# KiCad board APA102_Matrix.kicad_pcb (continued)
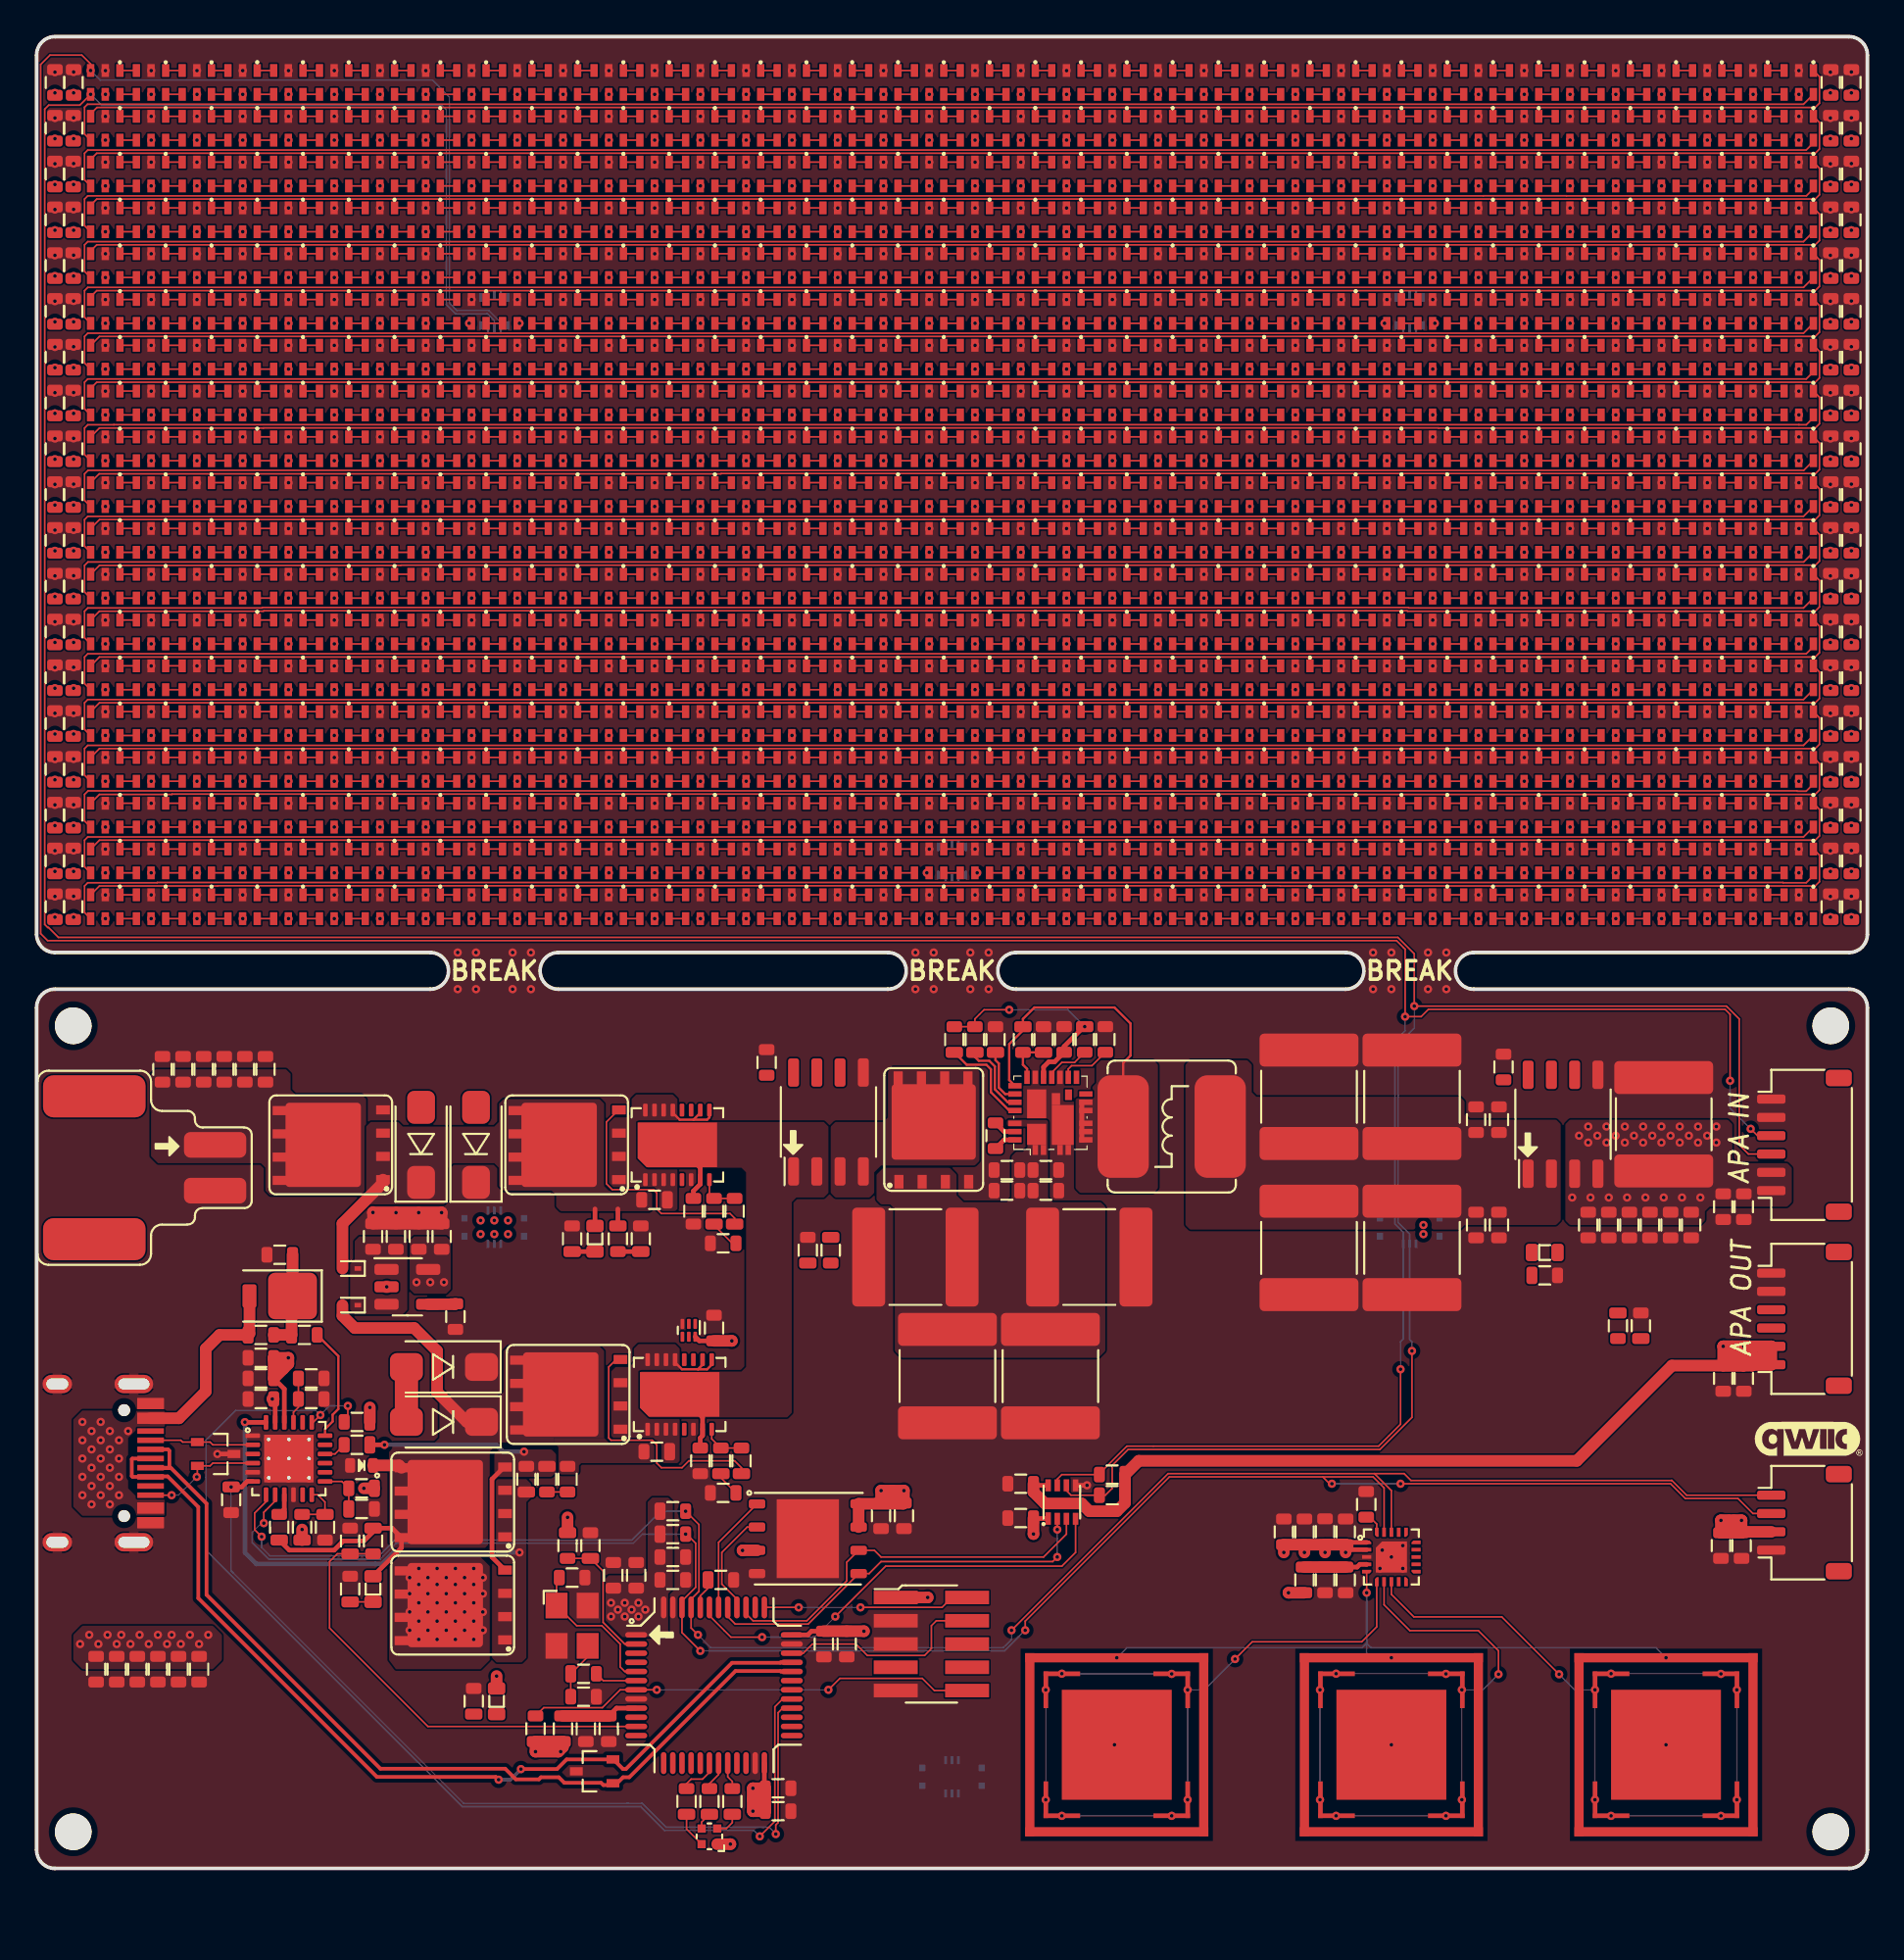
[diagram p0: board, top side]
## Routing (per net, layer and track width the routed paths; a pad name or vN(x,y) marks a point on that pad's centre or on a via; arc(x,y) is an arc through that point) (continued)
/LED ARRAY/LED_Row_17/CLK_OUT: length 96.7
  F_PWR_SIGNAL.Cu w0.089: D646.6 96.51,56.31 2.79,56.31 2.62,56.13 2.62,54.68 D647.4
/LED ARRAY/LED_Row_17/DATA_OUT: length 96.7
  F_PWR_SIGNAL.Cu w0.089: D647.3 3.43,56.13 97.15,56.13 97.38,56.37 97.38,57.82 D646.1
/LED ARRAY/LED_Row_18/CLK_OUT: length 96.7
  F_PWR_SIGNAL.Cu w0.089: D684.6 97.05,54.2 96.66,53.81 95.4,53.81 95.39,53.82 6.59,53.82 6.58,53.81 2.79,53.81 2.62,53.63 2.62,52.18 D685.4
/LED ARRAY/LED_Row_18/DATA_OUT: length 96.7
  F_PWR_SIGNAL.Cu w0.089: D684.1 97.38,55.32 97.38,53.87 97.15,53.63 67.93,53.63 67.92,53.65 9.89,53.65 9.88,53.63 3.43,53.63 D685.3
/MCU/BOOT0: length 1.7
  F_PWR_SIGNAL.Cu w0.089: U7.44 36.25,14.88 36.67,15.3 R25.1
/MCU/NRST: length 24.7
  F_PWR_SIGNAL.Cu w0.089: v1(33.88,9.75) U7.7 31.88,9.75 30.9,8.78 27.7,8.78 R23.2 ; v1(43.25,9.75) 43.88,10.38 48.38,10.38 49.04,9.71 J1.10
  B_GND_SIGNAL.Cu w0.089: v1(33.88,9.75) v1(43.25,9.75)
/MCU/SPI_CLK: length 21.7
  F_PWR_SIGNAL.Cu w0.089: U5.3 56.25,18.25 55,17 46.12,17 45.76,17.36 U6.6 44.25,16.72 44.25,15.7 42.07,13.52 39.13,13.52 38.75,13.9 U7.39
/MCU/SPI_CS_APA: length 24.7
  F_PWR_SIGNAL.Cu w0.089: U5.4 56.75,17.25 56,16.5 46.38,16.5 v1(43.62,13.75) ; U7.43 36.75,13.8 37.92,12.62 v1(39.62,12.62)
  B_GND_SIGNAL.Cu w0.089: v1(43.62,13.75) 42.5,12.62 v1(39.62,12.62)
/MCU/SPI_CS_FLASH: length 6.5
  F_PWR_SIGNAL.Cu w0.089: U6.1 37.25,17.8 U7.42
/MCU/SPI_MISO: length 5.4
  F_PWR_SIGNAL.Cu w0.089: U6.2 38.81,18.64 37.43,17.25 37.43,15.52 38.25,14.7
/MCU/SPI_MOSI: length 22.3
  F_PWR_SIGNAL.Cu w0.089: v1(55.75,18.5) U5.2 ; U7.41 37.75,13.75 38.16,13.34 42.14,13.34 U6.5 45.47,16.09 46.12,16.75 55.5,16.75 v1(55.75,17)
  B_GND_SIGNAL.Cu w0.089: v1(55.75,17) v1(55.75,18.5)
/MCU/SWCLK: length 11.6
  F_PWR_SIGNAL.Cu w0.089: U7.34 41.88,11.75 42.38,12.25 44.75,12.25 45.38,11.62 48.5,11.62 48.88,12 48.88,13.25 49.15,13.52 J1.4
/MCU/SWDIO: length 11.3
  F_PWR_SIGNAL.Cu w0.089: v1(41.62,14.25) U7.37 ; J1.2 49.99,14.79 49.45,14.25 v1(45,14.25)
  B_GND_SIGNAL.Cu w0.089: v1(45,14.25) v1(41.62,14.25)
/MCU/TOUCH_RST: length 1.2
  F_PWR_SIGNAL.Cu w0.089: U9.20 73.2,18.8 72.83,19.17 C129.1
/MCU/VERSION: length 7.3
  F_PWR_SIGNAL.Cu w0.089: U7.2 32.13,12.25 30.94,13.43 30.94,16.23 R22.1 R21.2
/PD_15V: length 24
  F_PWR_SIGNAL.Cu w0.254: D728.2 19.93,17.5 Q4.8 19.41,18.58 R11.1 18.38,18.38 17.88,17.88 16.75,17.88 16.25,17.38 13.8,17.38 R33.1
  F_PWR_SIGNAL.Cu w0.635: Q4.5 19.8,22 D730.1 ; D734.1 23.5,24.38 21.88,26 21.88,28.25 20.62,29.5 17.38,29.5 16.7,30.17 D727.2
/PD_ALERT: length 61.6
  F_PWR_SIGNAL.Cu w0.089: U7.29 40.75,9.25 40.32,8.82 40.32,2.57 v1(39.5,1.75) ; v1(15.5,24.75) 15.1,24.35 U10.19 ; R38.2 17,24.58 v1(17,25.25)
  B_GND_SIGNAL.Cu w0.089: v1(39.5,1.75) 39.18,2.07 34.3,2.07 33,3.38 23.25,3.38 9.25,17.38 9.25,23.38 10.88,25 15.25,25 v1(15.5,24.75) 16,25.25 v1(17,25.25)
/PD_RESET: length 49.3
  F_PWR_SIGNAL.Cu w0.089: U7.28 40.75,8.75 40.5,8.5 40.5,2.5 40.38,2.37 v1(40.38,1.88)
  F_PWR_SIGNAL.Cu w0.254: U10.6 11.5,21.12 11.2,20.83 v1(10.62,20.83)
  B_GND_SIGNAL.Cu w0.089: 10.75,16.13 10.62,16.25 v1(10.62,20.83) ; 10.75,16.13 10.68,16.2 ; 10.75,16.13 23.32,3.55 32.3,3.55 ; v1(40.38,1.88) 40,2.25 34.38,2.25 33.07,3.55 32.25,3.55
/PD_V_SNS: length 25.2
  F_PWR_SIGNAL.Cu w0.089: U7.11 21.37,7.75 16,13.12 16,16.75 16.43,17.17 R14.1 R11.2
/POWER SUPPLY/Vout: length 16.4
  F_PWR_SIGNAL.Cu w0.127: U8.18 53.12,43.04 53.12,45 53.88,45.75 R28.1 53.88,46.38 54.5,47 58.88,47 59.75,46.12 59.75,44.38 59.35,43.97 L1.1
/USB C PD/CC1: length 5.7
  F_PWR_SIGNAL.Cu w0.089: U10.2 9.62,23.12 9.48,23.28 D733.1 7.98,23.28 7.88,23.38 P1.A5
/USB C PD/CC2: length 6.6
  F_PWR_SIGNAL.Cu w0.089: P1.B5 v1(7.38,20.38) ; U10.4 9.62,22.12 9.48,21.97 D733.2 8.78,21.41 v1(8.75,21.38)
  B_GND_SIGNAL.Cu w0.089: v1(8.75,21.38) 7.75,20.38 v1(7.38,20.38)
/USB C PD/PD_DISCH: length 1.2
  F_PWR_SIGNAL.Cu w0.254: R33.2 13.53,19.61 U10.9
/USB C PD/PD_VBUS: length 10.7
  F_PWR_SIGNAL.Cu w0.635: P1.A4 7.77,24.58 9.24,26.04 9.24,28.37 10,29.12 R32.1 11.63,29.2 D731.2
  vias: v1(2.38,12.25) v1(2.5,24.38) v1(2.5,23.38) v1(2.5,22.38) v1(2.5,21.38) v1(2.5,20.38) v1(2.88,12.75) v1(3,23.88) v1(3,22.88) v1(3,21.88) v1(3,20.88) v1(3,19.88) v1(3.38,12.25) v1(3.5,24.38) v1(3.5,23.38) v1(3.5,22.38) v1(3.5,21.38) v1(3.5,20.38) v1(3.88,12.75) v1(4,23.88) v1(4,22.88) v1(4,21.88) v1(4,20.88) v1(4,19.88) v1(4.38,12.25) v1(4.5,23.38) v1(4.5,22.38) v1(4.5,21.38) v1(4.5,20.38) v1(4.62,12.75) v1(5,23.88) v1(5.12,12.25) v1(5.62,12.75) v1(6.12,12.25) v1(6.62,12.75) v1(7.12,12.25) v1(7.38,12.75) v1(7.88,12.25) v1(8.38,12.75) v1(8.88,12.25) v1(9.38,12.75) v1(20.38,15.88) v1(20.38,15) v1(20.38,14) v1(20.38,13) v1(20.88,16.38) v1(20.88,15.5) v1(20.88,14.5) v1(20.88,13.5) v1(20.88,12.5) v1(21.38,15.88) v1(21.38,15) v1(21.38,14) v1(21.38,13) v1(21.88,16.38) v1(21.88,15.5) v1(21.88,14.5) v1(21.88,13.5) v1(21.88,12.5) v1(22.38,15.88) v1(22.38,15) v1(22.38,14) v1(22.38,13) v1(22.88,16.38) v1(22.88,15.5) v1(22.88,14.5) v1(22.88,13.5) v1(22.88,12.5) v1(23.38,15.88) v1(23.38,15) v1(23.38,14) v1(23.38,13) v1(23.88,16.38) v1(23.88,15.5) v1(23.88,14.5) v1(23.88,13.5) v1(23.88,12.5) v1(24.38,15.88) v1(24.38,15) v1(24.38,14) v1(24.38,13)
/USB C PD/PD_VBUS_EN: length 1.3
  F_PWR_SIGNAL.Cu w0.089: U10.16 16.3,22.62 R37.2
/USB C PD/PD_VDD: length 23.8
  F_PWR_SIGNAL.Cu w0.254: U10.24 11.39,24.35 v1(11.38,24.36)
  B_GND_SIGNAL.Cu w0.254: v1(26.38,17.25) 19.5,17.25 18.88,16.62 12,16.62 11.38,17.25 11.38,24.36 v1(11.38,24.36)
/USB_DN: length 50.8
  F_PWR_SIGNAL.Cu w0.2: U7.32 40.65,10.75 40.62,10.78 38.17,10.78 32.37,4.97 32.03,4.97 31.6,4.55 30.95,4.55 30.83,4.67 28.83,4.67 28.52,4.97 27.55,4.97 27.44,4.86 26.18,4.86 25.6,5.44 18.78,5.44 9.28,14.94 9.28,19.92 7.35,21.85 6.82,21.85 6.8,21.88 P1.A7 7.21,21.88 7.25,21.92 7.25,22.8 7.17,22.88 P1.B7
/USB_DP: length 50.9
  F_PWR_SIGNAL.Cu w0.2: v1(25.24,4.84) 25.09,4.99 18.59,4.99 8.83,14.75 8.83,19.73 7.16,21.4 6.82,21.4 6.8,21.38 P1.B6 5.24,21.38 5.2,21.42 5.2,22.34 5.23,22.38 P1.A6 ; v1(26.46,5.42) 26.46,5.42 28.42,5.42 28.95,5.95 D732.2 ; 31.48,5.85 31.6,5.85 32.03,5.42 32.19,5.42 37.99,11.22 40.62,11.22 40.65,11.25 U7.33
  B_GND_SIGNAL.Cu w0.2: v1(25.24,4.84) 25.88,4.84 v1(26.46,5.42)
/User Inputs/IQS_3V3A: length 3.5
  F_PWR_SIGNAL.Cu w0.254: U9.4 72.28,16.6 72.13,16.45 C127.1
  F_PWR_SIGNAL.Cu w0.635: FB2.1 C127.1
/User Inputs/RX_1: length 38.3
  F_PWR_SIGNAL.Cu w0.089: T1.2 v1(62.87,3.75) ; T1.2 v1(55.12,3.75) ; T1.2 v1(56,2.87) ; T1.2 v1(55.12,9.75) ; T1.2 v1(62,10.62) ; U9.6 73.2,13.19 72.38,12.37 66.4,12.37 v1(65.46,11.43) ; T1.2 v1(62.87,9.75) ; T1.2 v1(56,10.63) ; T1.2 v1(62,2.87)
  B_GND_SIGNAL.Cu w0.089: v1(62.87,3.75) v1(62.87,9.75) 63.78,9.75 v1(65.46,11.43) ; v1(56,10.63) 56.01,10.62 v1(62,10.62) ; v1(56,2.87) v1(62,2.87) ; v1(55.12,9.75) v1(55.12,3.75)
/User Inputs/RX_2: length 36.2
  F_PWR_SIGNAL.Cu w0.089: v1(79.85,10.6) 79.85,11.88 78.75,12.98 75.01,12.98 73.6,14.39 U9.7
  B_GND_SIGNAL.Cu w0.089: v1(76.98,2.87) v1(70.98,2.87) ; v1(70.1,3.75) v1(70.1,9.75) ; v1(76.98,10.62) 76.97,10.63 v1(70.98,10.63) ; v1(79.85,10.6) 79,9.75 v1(77.85,9.75) v1(77.85,3.75)
/User Inputs/RX_3: length 38
  F_PWR_SIGNAL.Cu w0.089: v1(83.16,10.6) 80.03,13.73 75.23,13.73 74,14.96 U9.8
  B_GND_SIGNAL.Cu w0.089: v1(92,10.62) 91.99,10.63 v1(86,10.63) ; v1(92,2.87) v1(86,2.87) ; v1(92.87,9.75) v1(92.87,3.75) ; v1(85.12,3.75) v1(85.12,9.75) 84.01,9.75 v1(83.16,10.6)
/User Inputs/TX_0: length 39.4
  F_PWR_SIGNAL.Cu w0.089: U9.5 v1(72.65,15.05)
  B_GND_SIGNAL.Cu w0.089: v1(89,11.5) 88.45,12.05 72.89,12.05 72.65,12.29 ; v1(59,11.5) 59.55,12.05 72.41,12.05 72.65,12.29 ; v1(74,11.5) 72.83,11.5 72.65,11.68 v1(72.65,15.05) 72.65,12.29
/VOUT_PRE: length 7.1
  F_PWR_SIGNAL.Cu w0.254: C141.1 35.88,36.98 36.25,37.36 U12.7 36.25,38.25 U12.17 ; C140.1 36.25,23.5 36.38,23.62 U11.7 36.38,24.62 U11.17
Net-(C83-Pad1): length 1.5
  F_PWR_SIGNAL.Cu w0.635: C83.1 22.85,30.8 U4.4
Net-(C102-Pad1): length 3.2
  F_PWR_SIGNAL.Cu w0.089: Y1.3 30.1,11.55 R24.1 C102.1
Net-(C103-Pad1): length 8.2
  F_PWR_SIGNAL.Cu w0.089: C103.1 28.4,15.72 Y1.1 29.5,13.25 30.88,13.25 31.88,12.25 31.88,11 32.12,10.75 U7.5
Net-(C104-Pad1): length 1.3
  F_PWR_SIGNAL.Cu w0.254: C104.1 52.85,40.22 U8.23
Net-(C104-Pad2): length 1.3
  F_PWR_SIGNAL.Cu w0.254: C104.2 52.85,39.78 U8.24
Net-(C122-Pad1): length 2.9
  F_PWR_SIGNAL.Cu w0.089: U8.12 56.35,43.64 56.53,43.82 57.64,43.82 58.38,44.56
Net-(C132-Pad2): length 1.1
  F_PWR_SIGNAL.Cu w0.089: R36.2 C132.2
Net-(C133-Pad2): length 2.5
  F_PWR_SIGNAL.Cu w0.089: C136.2 C133.2 14.3,25.17 14.03,24.91 U10.21
Net-(C135-Pad1): length 5.4
  F_PWR_SIGNAL.Cu w0.635: C135.1 13.98,31.25 D731.1 13.93,31.2 R35.1 R32.2
Net-(C138-Pad1): length 1.4
  F_PWR_SIGNAL.Cu w0.089: C138.1 37.38,21.33 R46.1
Net-(C139-Pad1): length 1.7
  F_PWR_SIGNAL.Cu w0.089: C139.1 38,34.12 37,35.12 R48.1
Net-(D1-Pad1): length 0.9
  F_PWR_SIGNAL.Cu w0.089: D1.1 D2.3
Net-(D1-Pad6): length 0.9
  F_PWR_SIGNAL.Cu w0.089: D1.6 D2.4
Net-(D2-Pad1): length 0.9
  F_PWR_SIGNAL.Cu w0.089: D2.1 D3.3
Net-(D2-Pad6): length 0.9
  F_PWR_SIGNAL.Cu w0.089: D2.6 D3.4
Net-(D3-Pad1): length 0.9
  F_PWR_SIGNAL.Cu w0.089: D3.1 D4.3
Net-(D3-Pad6): length 0.9
  F_PWR_SIGNAL.Cu w0.089: D3.6 D4.4
Net-(D4-Pad1): length 0.9
  F_PWR_SIGNAL.Cu w0.089: D4.1 D5.3
Net-(D4-Pad6): length 0.9
  F_PWR_SIGNAL.Cu w0.089: D4.6 D5.4
Net-(D5-Pad1): length 0.9
  F_PWR_SIGNAL.Cu w0.089: D5.1 D6.3
Net-(D5-Pad6): length 0.9
  F_PWR_SIGNAL.Cu w0.089: D5.6 D6.4
Net-(D6-Pad1): length 0.9
  F_PWR_SIGNAL.Cu w0.089: D6.1 D7.3
Net-(D6-Pad6): length 0.9
  F_PWR_SIGNAL.Cu w0.089: D6.6 D7.4
Net-(D7-Pad1): length 0.9
  F_PWR_SIGNAL.Cu w0.089: D7.1 D8.3
Net-(D7-Pad6): length 0.9
  F_PWR_SIGNAL.Cu w0.089: D7.6 D8.4
Net-(D8-Pad1): length 0.9
  F_PWR_SIGNAL.Cu w0.089: D8.1 D9.3
Net-(D8-Pad6): length 0.9
  F_PWR_SIGNAL.Cu w0.089: D8.6 D9.4
Net-(D10-Pad1): length 0.9
  F_PWR_SIGNAL.Cu w0.089: D10.1 D11.3
Net-(D10-Pad3): length 0.9
  F_PWR_SIGNAL.Cu w0.089: D9.1 D10.3
Net-(D10-Pad4): length 0.9
  F_PWR_SIGNAL.Cu w0.089: D9.6 D10.4
Net-(D10-Pad6): length 0.9
  F_PWR_SIGNAL.Cu w0.089: D10.6 D11.4
Net-(D11-Pad1): length 0.9
  F_PWR_SIGNAL.Cu w0.089: D11.1 D12.3
Net-(D11-Pad6): length 0.9
  F_PWR_SIGNAL.Cu w0.089: D11.6 D12.4
Net-(D12-Pad1): length 0.9
  F_PWR_SIGNAL.Cu w0.089: D12.1 D13.3
Net-(D12-Pad6): length 0.9
  F_PWR_SIGNAL.Cu w0.089: D12.6 D13.4
Net-(D13-Pad1): length 0.9
  F_PWR_SIGNAL.Cu w0.089: D13.1 D14.3
Net-(D13-Pad6): length 0.9
  F_PWR_SIGNAL.Cu w0.089: D13.6 D14.4
Net-(D14-Pad1): length 0.9
  F_PWR_SIGNAL.Cu w0.089: D14.1 D15.3
Net-(D14-Pad6): length 0.9
  F_PWR_SIGNAL.Cu w0.089: D14.6 D15.4
Net-(D15-Pad1): length 0.9
  F_PWR_SIGNAL.Cu w0.089: D15.1 D16.3
Net-(D15-Pad6): length 0.9
  F_PWR_SIGNAL.Cu w0.089: D15.6 D16.4
Net-(D16-Pad1): length 0.9
  F_PWR_SIGNAL.Cu w0.089: D16.1 D17.3
Net-(D16-Pad6): length 0.9
  F_PWR_SIGNAL.Cu w0.089: D16.6 D17.4
Net-(D17-Pad1): length 0.9
  F_PWR_SIGNAL.Cu w0.089: D17.1 D18.3
Net-(D17-Pad6): length 0.9
  F_PWR_SIGNAL.Cu w0.089: D17.6 D18.4
Net-(D18-Pad1): length 0.9
  F_PWR_SIGNAL.Cu w0.089: D18.1 D19.3
Net-(D18-Pad6): length 0.9
  F_PWR_SIGNAL.Cu w0.089: D18.6 D19.4
Net-(D19-Pad1): length 0.9
  F_PWR_SIGNAL.Cu w0.089: D19.1 D20.3
Net-(D19-Pad6): length 0.9
  F_PWR_SIGNAL.Cu w0.089: D19.6 D20.4
Net-(D20-Pad1): length 0.9
  F_PWR_SIGNAL.Cu w0.089: D20.1 D21.3
Net-(D20-Pad6): length 0.9
  F_PWR_SIGNAL.Cu w0.089: D20.6 D21.4
Net-(D21-Pad1): length 0.9
  F_PWR_SIGNAL.Cu w0.089: D21.1 D22.3
Net-(D21-Pad6): length 0.9
  F_PWR_SIGNAL.Cu w0.089: D21.6 D22.4
Net-(D22-Pad1): length 0.9
  F_PWR_SIGNAL.Cu w0.089: D22.1 D23.3
Net-(D22-Pad6): length 0.9
  F_PWR_SIGNAL.Cu w0.089: D22.6 D23.4
Net-(D23-Pad1): length 0.9
  F_PWR_SIGNAL.Cu w0.089: D23.1 D24.3
Net-(D23-Pad6): length 0.9
  F_PWR_SIGNAL.Cu w0.089: D23.6 D24.4
Net-(D24-Pad1): length 0.9
  F_PWR_SIGNAL.Cu w0.089: D24.1 D25.3
Net-(D24-Pad6): length 0.9
  F_PWR_SIGNAL.Cu w0.089: D24.6 D25.4
Net-(D25-Pad1): length 0.9
  F_PWR_SIGNAL.Cu w0.089: D25.1 D26.3
Net-(D25-Pad6): length 0.9
  F_PWR_SIGNAL.Cu w0.089: D25.6 D26.4
Net-(D26-Pad1): length 0.9
  F_PWR_SIGNAL.Cu w0.089: D26.1 D27.3
Net-(D26-Pad6): length 0.9
  F_PWR_SIGNAL.Cu w0.089: D26.6 D27.4
Net-(D27-Pad1): length 0.9
  F_PWR_SIGNAL.Cu w0.089: D27.1 D28.3
Net-(D27-Pad6): length 0.9
  F_PWR_SIGNAL.Cu w0.089: D27.6 D28.4
Net-(D28-Pad1): length 0.9
  F_PWR_SIGNAL.Cu w0.089: D28.1 D29.3
Net-(D28-Pad6): length 0.9
  F_PWR_SIGNAL.Cu w0.089: D28.6 D29.4
Net-(D29-Pad1): length 0.9
  F_PWR_SIGNAL.Cu w0.089: D29.1 D30.3
Net-(D29-Pad6): length 0.9
  F_PWR_SIGNAL.Cu w0.089: D29.6 D30.4
Net-(D30-Pad1): length 0.9
  F_PWR_SIGNAL.Cu w0.089: D30.1 D31.3
Net-(D30-Pad6): length 0.9
  F_PWR_SIGNAL.Cu w0.089: D30.6 D31.4
Net-(D31-Pad1): length 0.9
  F_PWR_SIGNAL.Cu w0.089: D31.1 D32.3
Net-(D31-Pad6): length 0.9
  F_PWR_SIGNAL.Cu w0.089: D31.6 D32.4
Net-(D32-Pad1): length 0.9
  F_PWR_SIGNAL.Cu w0.089: D32.1 D33.3
Net-(D32-Pad6): length 0.9
  F_PWR_SIGNAL.Cu w0.089: D32.6 D33.4
Net-(D33-Pad1): length 0.9
  F_PWR_SIGNAL.Cu w0.089: D33.1 D34.3
Net-(D33-Pad6): length 0.9
  F_PWR_SIGNAL.Cu w0.089: D33.6 D34.4
Net-(D34-Pad1): length 0.9
  F_PWR_SIGNAL.Cu w0.089: D34.1 D35.3
Net-(D34-Pad6): length 0.9
  F_PWR_SIGNAL.Cu w0.089: D34.6 D35.4
Net-(D35-Pad1): length 0.9
  F_PWR_SIGNAL.Cu w0.089: D35.1 D36.3
Net-(D35-Pad6): length 0.9
  F_PWR_SIGNAL.Cu w0.089: D35.6 D36.4
Net-(D36-Pad1): length 0.9
  F_PWR_SIGNAL.Cu w0.089: D36.1 D37.3
Net-(D36-Pad6): length 0.9
  F_PWR_SIGNAL.Cu w0.089: D36.6 D37.4
Net-(D37-Pad1): length 0.9
  F_PWR_SIGNAL.Cu w0.089: D37.1 D38.3
Net-(D37-Pad6): length 0.9
  F_PWR_SIGNAL.Cu w0.089: D37.6 D38.4
Net-(D39-Pad1): length 0.9
  F_PWR_SIGNAL.Cu w0.089: D39.1 D40.3
Net-(D39-Pad6): length 0.9
  F_PWR_SIGNAL.Cu w0.089: D39.6 D40.4
Net-(D40-Pad1): length 0.9
  F_PWR_SIGNAL.Cu w0.089: D40.1 D41.3
Net-(D40-Pad6): length 0.9
  F_PWR_SIGNAL.Cu w0.089: D40.6 D41.4
Net-(D41-Pad1): length 0.9
  F_PWR_SIGNAL.Cu w0.089: D41.1 D42.3
Net-(D41-Pad6): length 0.9
  F_PWR_SIGNAL.Cu w0.089: D41.6 D42.4
Net-(D42-Pad1): length 0.9
  F_PWR_SIGNAL.Cu w0.089: D42.1 D43.3
Net-(D42-Pad6): length 0.9
  F_PWR_SIGNAL.Cu w0.089: D42.6 D43.4
Net-(D43-Pad1): length 0.9
  F_PWR_SIGNAL.Cu w0.089: D43.1 D44.3
Net-(D43-Pad6): length 0.9
  F_PWR_SIGNAL.Cu w0.089: D43.6 D44.4
Net-(D44-Pad1): length 0.9
  F_PWR_SIGNAL.Cu w0.089: D44.1 D45.3
Net-(D44-Pad6): length 0.9
  F_PWR_SIGNAL.Cu w0.089: D44.6 D45.4
Net-(D45-Pad1): length 0.9
  F_PWR_SIGNAL.Cu w0.089: D45.1 D46.3
Net-(D45-Pad6): length 0.9
  F_PWR_SIGNAL.Cu w0.089: D45.6 D46.4
Net-(D46-Pad1): length 0.9
  F_PWR_SIGNAL.Cu w0.089: D46.1 D47.3
Net-(D46-Pad6): length 0.9
  F_PWR_SIGNAL.Cu w0.089: D46.6 D47.4
Net-(D47-Pad1): length 0.9
  F_PWR_SIGNAL.Cu w0.089: D47.1 D48.3
Net-(D47-Pad6): length 0.9
  F_PWR_SIGNAL.Cu w0.089: D47.6 D48.4
Net-(D48-Pad1): length 0.9
  F_PWR_SIGNAL.Cu w0.089: D48.1 D49.3
Net-(D48-Pad6): length 0.9
  F_PWR_SIGNAL.Cu w0.089: D48.6 D49.4
Net-(D49-Pad1): length 0.9
  F_PWR_SIGNAL.Cu w0.089: D49.1 D50.3
Net-(D49-Pad6): length 0.9
  F_PWR_SIGNAL.Cu w0.089: D49.6 D50.4
Net-(D50-Pad1): length 0.9
  F_PWR_SIGNAL.Cu w0.089: D50.1 D51.3
Net-(D50-Pad6): length 0.9
  F_PWR_SIGNAL.Cu w0.089: D50.6 D51.4
Net-(D51-Pad1): length 0.9
  F_PWR_SIGNAL.Cu w0.089: D51.1 D52.3
Net-(D51-Pad6): length 0.9
  F_PWR_SIGNAL.Cu w0.089: D51.6 D52.4
Net-(D52-Pad1): length 0.9
  F_PWR_SIGNAL.Cu w0.089: D52.1 D53.3
Net-(D52-Pad6): length 0.9
  F_PWR_SIGNAL.Cu w0.089: D52.6 D53.4
Net-(D53-Pad1): length 0.9
  F_PWR_SIGNAL.Cu w0.089: D53.1 D54.3
Net-(D53-Pad6): length 0.9
  F_PWR_SIGNAL.Cu w0.089: D53.6 D54.4
Net-(D54-Pad1): length 0.9
  F_PWR_SIGNAL.Cu w0.089: D54.1 D55.3
Net-(D54-Pad6): length 0.9
  F_PWR_SIGNAL.Cu w0.089: D54.6 D55.4
Net-(D55-Pad1): length 0.9
  F_PWR_SIGNAL.Cu w0.089: D55.1 D56.3
Net-(D55-Pad6): length 0.9
  F_PWR_SIGNAL.Cu w0.089: D55.6 D56.4
Net-(D56-Pad1): length 0.9
  F_PWR_SIGNAL.Cu w0.089: D56.1 D57.3
Net-(D56-Pad6): length 0.9
  F_PWR_SIGNAL.Cu w0.089: D56.6 D57.4
Net-(D57-Pad1): length 0.9
  F_PWR_SIGNAL.Cu w0.089: D57.1 D58.3
Net-(D57-Pad6): length 0.9
  F_PWR_SIGNAL.Cu w0.089: D57.6 D58.4
Net-(D58-Pad1): length 0.9
  F_PWR_SIGNAL.Cu w0.089: D58.1 D59.3
Net-(D58-Pad6): length 0.9
  F_PWR_SIGNAL.Cu w0.089: D58.6 D59.4
Net-(D59-Pad1): length 0.9
  F_PWR_SIGNAL.Cu w0.089: D59.1 D60.3
Net-(D59-Pad6): length 0.9
  F_PWR_SIGNAL.Cu w0.089: D59.6 D60.4
Net-(D60-Pad1): length 0.9
  F_PWR_SIGNAL.Cu w0.089: D60.1 D61.3
Net-(D60-Pad6): length 0.9
  F_PWR_SIGNAL.Cu w0.089: D60.6 D61.4
Net-(D61-Pad1): length 0.9
  F_PWR_SIGNAL.Cu w0.089: D61.1 D62.3
Net-(D61-Pad6): length 0.9
  F_PWR_SIGNAL.Cu w0.089: D61.6 D62.4
Net-(D62-Pad1): length 0.9
  F_PWR_SIGNAL.Cu w0.089: D62.1 D63.3
Net-(D62-Pad6): length 0.9
  F_PWR_SIGNAL.Cu w0.089: D62.6 D63.4
Net-(D63-Pad1): length 0.9
  F_PWR_SIGNAL.Cu w0.089: D63.1 D64.3
Net-(D63-Pad6): length 0.9
  F_PWR_SIGNAL.Cu w0.089: D63.6 D64.4
Net-(D64-Pad1): length 0.9
  F_PWR_SIGNAL.Cu w0.089: D64.1 D65.3
Net-(D64-Pad6): length 0.9
  F_PWR_SIGNAL.Cu w0.089: D64.6 D65.4
Net-(D65-Pad1): length 0.9
  F_PWR_SIGNAL.Cu w0.089: D65.1 D66.3
Net-(D65-Pad6): length 0.9
  F_PWR_SIGNAL.Cu w0.089: D65.6 D66.4
Net-(D66-Pad1): length 0.9
  F_PWR_SIGNAL.Cu w0.089: D66.1 D67.3
Net-(D66-Pad6): length 0.9
  F_PWR_SIGNAL.Cu w0.089: D66.6 D67.4
Net-(D67-Pad1): length 0.9
  F_PWR_SIGNAL.Cu w0.089: D67.1 D68.3
Net-(D67-Pad6): length 0.9
  F_PWR_SIGNAL.Cu w0.089: D67.6 D68.4
Net-(D68-Pad1): length 0.9
  F_PWR_SIGNAL.Cu w0.089: D68.1 D69.3
Net-(D68-Pad6): length 0.9
  F_PWR_SIGNAL.Cu w0.089: D68.6 D69.4
Net-(D69-Pad1): length 0.9
  F_PWR_SIGNAL.Cu w0.089: D69.1 D70.3
Net-(D69-Pad6): length 0.9
  F_PWR_SIGNAL.Cu w0.089: D69.6 D70.4
Net-(D70-Pad1): length 0.9
  F_PWR_SIGNAL.Cu w0.089: D70.1 D71.3
Net-(D70-Pad6): length 0.9
  F_PWR_SIGNAL.Cu w0.089: D70.6 D71.4
Net-(D71-Pad1): length 0.9
  F_PWR_SIGNAL.Cu w0.089: D71.1 D72.3
Net-(D71-Pad6): length 0.9
  F_PWR_SIGNAL.Cu w0.089: D71.6 D72.4
Net-(D72-Pad1): length 0.9
  F_PWR_SIGNAL.Cu w0.089: D72.1 D73.3
Net-(D72-Pad6): length 0.9
  F_PWR_SIGNAL.Cu w0.089: D72.6 D73.4
Net-(D73-Pad1): length 0.9
  F_PWR_SIGNAL.Cu w0.089: D73.1 D74.3
Net-(D73-Pad6): length 0.9
  F_PWR_SIGNAL.Cu w0.089: D73.6 D74.4
Net-(D74-Pad1): length 0.9
  F_PWR_SIGNAL.Cu w0.089: D74.1 D75.3
Net-(D74-Pad6): length 0.9
  F_PWR_SIGNAL.Cu w0.089: D74.6 D75.4
Net-(D75-Pad1): length 0.9
  F_PWR_SIGNAL.Cu w0.089: D75.1 D76.3
Net-(D75-Pad6): length 0.9
  F_PWR_SIGNAL.Cu w0.089: D75.6 D76.4
Net-(D77-Pad1): length 0.9
  F_PWR_SIGNAL.Cu w0.089: D77.1 D78.3
Net-(D77-Pad6): length 0.9
  F_PWR_SIGNAL.Cu w0.089: D77.6 D78.4
Net-(D78-Pad1): length 0.9
  F_PWR_SIGNAL.Cu w0.089: D78.1 D79.3
Net-(D78-Pad6): length 0.9
  F_PWR_SIGNAL.Cu w0.089: D78.6 D79.4
Net-(D79-Pad1): length 0.9
  F_PWR_SIGNAL.Cu w0.089: D79.1 D80.3
Net-(D79-Pad6): length 0.9
  F_PWR_SIGNAL.Cu w0.089: D79.6 D80.4
Net-(D80-Pad1): length 0.9
  F_PWR_SIGNAL.Cu w0.089: D80.1 D81.3
Net-(D80-Pad6): length 0.9
  F_PWR_SIGNAL.Cu w0.089: D80.6 D81.4
Net-(D81-Pad1): length 0.9
  F_PWR_SIGNAL.Cu w0.089: D81.1 D82.3
Net-(D81-Pad6): length 0.9
  F_PWR_SIGNAL.Cu w0.089: D81.6 D82.4
Net-(D82-Pad1): length 0.9
  F_PWR_SIGNAL.Cu w0.089: D82.1 D83.3
Net-(D82-Pad6): length 0.9
  F_PWR_SIGNAL.Cu w0.089: D82.6 D83.4
Net-(D83-Pad1): length 0.9
  F_PWR_SIGNAL.Cu w0.089: D83.1 D84.3
Net-(D83-Pad6): length 0.9
  F_PWR_SIGNAL.Cu w0.089: D83.6 D84.4
Net-(D84-Pad1): length 0.9
  F_PWR_SIGNAL.Cu w0.089: D84.1 D85.3
Net-(D84-Pad6): length 0.9
  F_PWR_SIGNAL.Cu w0.089: D84.6 D85.4
Net-(D85-Pad1): length 0.9
  F_PWR_SIGNAL.Cu w0.089: D85.1 D86.3
Net-(D85-Pad6): length 0.9
  F_PWR_SIGNAL.Cu w0.089: D85.6 D86.4
Net-(D86-Pad1): length 0.9
  F_PWR_SIGNAL.Cu w0.089: D86.1 D87.3
Net-(D86-Pad6): length 0.9
  F_PWR_SIGNAL.Cu w0.089: D86.6 D87.4
Net-(D87-Pad1): length 0.9
  F_PWR_SIGNAL.Cu w0.089: D87.1 D88.3
Net-(D87-Pad6): length 0.9
  F_PWR_SIGNAL.Cu w0.089: D87.6 D88.4
Net-(D88-Pad1): length 0.9
  F_PWR_SIGNAL.Cu w0.089: D88.1 D89.3
Net-(D88-Pad6): length 0.9
  F_PWR_SIGNAL.Cu w0.089: D88.6 D89.4
Net-(D89-Pad1): length 0.9
  F_PWR_SIGNAL.Cu w0.089: D89.1 D90.3
Net-(D89-Pad6): length 0.9
  F_PWR_SIGNAL.Cu w0.089: D89.6 D90.4
Net-(D90-Pad1): length 0.9
  F_PWR_SIGNAL.Cu w0.089: D90.1 D91.3
Net-(D90-Pad6): length 0.9
  F_PWR_SIGNAL.Cu w0.089: D90.6 D91.4
Net-(D91-Pad1): length 0.9
  F_PWR_SIGNAL.Cu w0.089: D91.1 D92.3
Net-(D91-Pad6): length 0.9
  F_PWR_SIGNAL.Cu w0.089: D91.6 D92.4
Net-(D92-Pad1): length 0.9
  F_PWR_SIGNAL.Cu w0.089: D92.1 D93.3
Net-(D92-Pad6): length 0.9
  F_PWR_SIGNAL.Cu w0.089: D92.6 D93.4
Net-(D93-Pad1): length 0.9
  F_PWR_SIGNAL.Cu w0.089: D93.1 D94.3
Net-(D93-Pad6): length 0.9
  F_PWR_SIGNAL.Cu w0.089: D93.6 D94.4
Net-(D94-Pad1): length 0.9
  F_PWR_SIGNAL.Cu w0.089: D94.1 D95.3
Net-(D94-Pad6): length 0.9
  F_PWR_SIGNAL.Cu w0.089: D94.6 D95.4
Net-(D95-Pad1): length 0.9
  F_PWR_SIGNAL.Cu w0.089: D95.1 D96.3
Net-(D95-Pad6): length 0.9
  F_PWR_SIGNAL.Cu w0.089: D95.6 D96.4
Net-(D96-Pad1): length 0.9
  F_PWR_SIGNAL.Cu w0.089: D96.1 D97.3
Net-(D96-Pad6): length 0.9
  F_PWR_SIGNAL.Cu w0.089: D96.6 D97.4
Net-(D97-Pad1): length 0.9
  F_PWR_SIGNAL.Cu w0.089: D97.1 D98.3
Net-(D97-Pad6): length 0.9
  F_PWR_SIGNAL.Cu w0.089: D97.6 D98.4
Net-(D98-Pad1): length 0.9
  F_PWR_SIGNAL.Cu w0.089: D98.1 D99.3
Net-(D98-Pad6): length 0.9
  F_PWR_SIGNAL.Cu w0.089: D98.6 D99.4
Net-(D100-Pad1): length 0.9
  F_PWR_SIGNAL.Cu w0.089: D100.1 D101.3
Net-(D100-Pad3): length 0.9
  F_PWR_SIGNAL.Cu w0.089: D99.1 D100.3
Net-(D100-Pad4): length 0.9
  F_PWR_SIGNAL.Cu w0.089: D99.6 D100.4
Net-(D100-Pad6): length 0.9
  F_PWR_SIGNAL.Cu w0.089: D100.6 D101.4
Net-(D101-Pad1): length 0.9
  F_PWR_SIGNAL.Cu w0.089: D101.1 D102.3
Net-(D101-Pad6): length 0.9
  F_PWR_SIGNAL.Cu w0.089: D101.6 D102.4
Net-(D102-Pad1): length 0.9
  F_PWR_SIGNAL.Cu w0.089: D102.1 D103.3
Net-(D102-Pad6): length 0.9
  F_PWR_SIGNAL.Cu w0.089: D102.6 D103.4
Net-(D103-Pad1): length 0.9
  F_PWR_SIGNAL.Cu w0.089: D103.1 D104.3
Net-(D103-Pad6): length 0.9
  F_PWR_SIGNAL.Cu w0.089: D103.6 D104.4
Net-(D104-Pad1): length 0.9
  F_PWR_SIGNAL.Cu w0.089: D104.1 D105.3
Net-(D104-Pad6): length 0.9
  F_PWR_SIGNAL.Cu w0.089: D104.6 D105.4
Net-(D105-Pad1): length 0.9
  F_PWR_SIGNAL.Cu w0.089: D105.1 D106.3
Net-(D105-Pad6): length 0.9
  F_PWR_SIGNAL.Cu w0.089: D105.6 D106.4
Net-(D106-Pad1): length 0.9
  F_PWR_SIGNAL.Cu w0.089: D106.1 D107.3
Net-(D106-Pad6): length 0.9
  F_PWR_SIGNAL.Cu w0.089: D106.6 D107.4
Net-(D107-Pad1): length 0.9
  F_PWR_SIGNAL.Cu w0.089: D107.1 D108.3
Net-(D107-Pad6): length 0.9
  F_PWR_SIGNAL.Cu w0.089: D107.6 D108.4
Net-(D108-Pad1): length 0.9
  F_PWR_SIGNAL.Cu w0.089: D108.1 D109.3
Net-(D108-Pad6): length 0.9
  F_PWR_SIGNAL.Cu w0.089: D108.6 D109.4
Net-(D109-Pad1): length 0.9
  F_PWR_SIGNAL.Cu w0.089: D109.1 D110.3
Net-(D109-Pad6): length 0.9
  F_PWR_SIGNAL.Cu w0.089: D109.6 D110.4
Net-(D110-Pad1): length 0.9
  F_PWR_SIGNAL.Cu w0.089: D110.1 D111.3
Net-(D110-Pad6): length 0.9
  F_PWR_SIGNAL.Cu w0.089: D110.6 D111.4
Net-(D111-Pad1): length 0.9
  F_PWR_SIGNAL.Cu w0.089: D111.1 D112.3
Net-(D111-Pad6): length 0.9
  F_PWR_SIGNAL.Cu w0.089: D111.6 D112.4
Net-(D112-Pad1): length 0.9
  F_PWR_SIGNAL.Cu w0.089: D112.1 D113.3
Net-(D112-Pad6): length 0.9
  F_PWR_SIGNAL.Cu w0.089: D112.6 D113.4
Net-(D113-Pad1): length 0.9
  F_PWR_SIGNAL.Cu w0.089: D113.1 D114.3
Net-(D113-Pad6): length 0.9
  F_PWR_SIGNAL.Cu w0.089: D113.6 D114.4
Net-(D115-Pad1): length 0.9
  F_PWR_SIGNAL.Cu w0.089: D115.1 D116.3
Net-(D115-Pad6): length 0.9
  F_PWR_SIGNAL.Cu w0.089: D115.6 D116.4
Net-(D116-Pad1): length 0.9
  F_PWR_SIGNAL.Cu w0.089: D116.1 D117.3
Net-(D116-Pad6): length 0.9
  F_PWR_SIGNAL.Cu w0.089: D116.6 D117.4
Net-(D117-Pad1): length 0.9
  F_PWR_SIGNAL.Cu w0.089: D117.1 D118.3
Net-(D117-Pad6): length 0.9
  F_PWR_SIGNAL.Cu w0.089: D117.6 D118.4
Net-(D118-Pad1): length 0.9
  F_PWR_SIGNAL.Cu w0.089: D118.1 D119.3
Net-(D118-Pad6): length 0.9
  F_PWR_SIGNAL.Cu w0.089: D118.6 D119.4
Net-(D119-Pad1): length 0.9
  F_PWR_SIGNAL.Cu w0.089: D119.1 D120.3
Net-(D119-Pad6): length 0.9
  F_PWR_SIGNAL.Cu w0.089: D119.6 D120.4
Net-(D120-Pad1): length 0.9
  F_PWR_SIGNAL.Cu w0.089: D120.1 D121.3
Net-(D120-Pad6): length 0.9
  F_PWR_SIGNAL.Cu w0.089: D120.6 D121.4
Net-(D121-Pad1): length 0.9
  F_PWR_SIGNAL.Cu w0.089: D121.1 D122.3
Net-(D121-Pad6): length 0.9
  F_PWR_SIGNAL.Cu w0.089: D121.6 D122.4
Net-(D122-Pad1): length 0.9
  F_PWR_SIGNAL.Cu w0.089: D122.1 D123.3
Net-(D122-Pad6): length 0.9
  F_PWR_SIGNAL.Cu w0.089: D122.6 D123.4
Net-(D123-Pad1): length 0.9
  F_PWR_SIGNAL.Cu w0.089: D123.1 D124.3
Net-(D123-Pad6): length 0.9
  F_PWR_SIGNAL.Cu w0.089: D123.6 D124.4
Net-(D124-Pad1): length 0.9
  F_PWR_SIGNAL.Cu w0.089: D124.1 D125.3
Net-(D124-Pad6): length 0.9
  F_PWR_SIGNAL.Cu w0.089: D124.6 D125.4
Net-(D125-Pad1): length 0.9
  F_PWR_SIGNAL.Cu w0.089: D125.1 D126.3
Net-(D125-Pad6): length 0.9
  F_PWR_SIGNAL.Cu w0.089: D125.6 D126.4
Net-(D126-Pad1): length 0.9